# Altium PCB record1.PcbDoc (part 1 of 2) (continued)
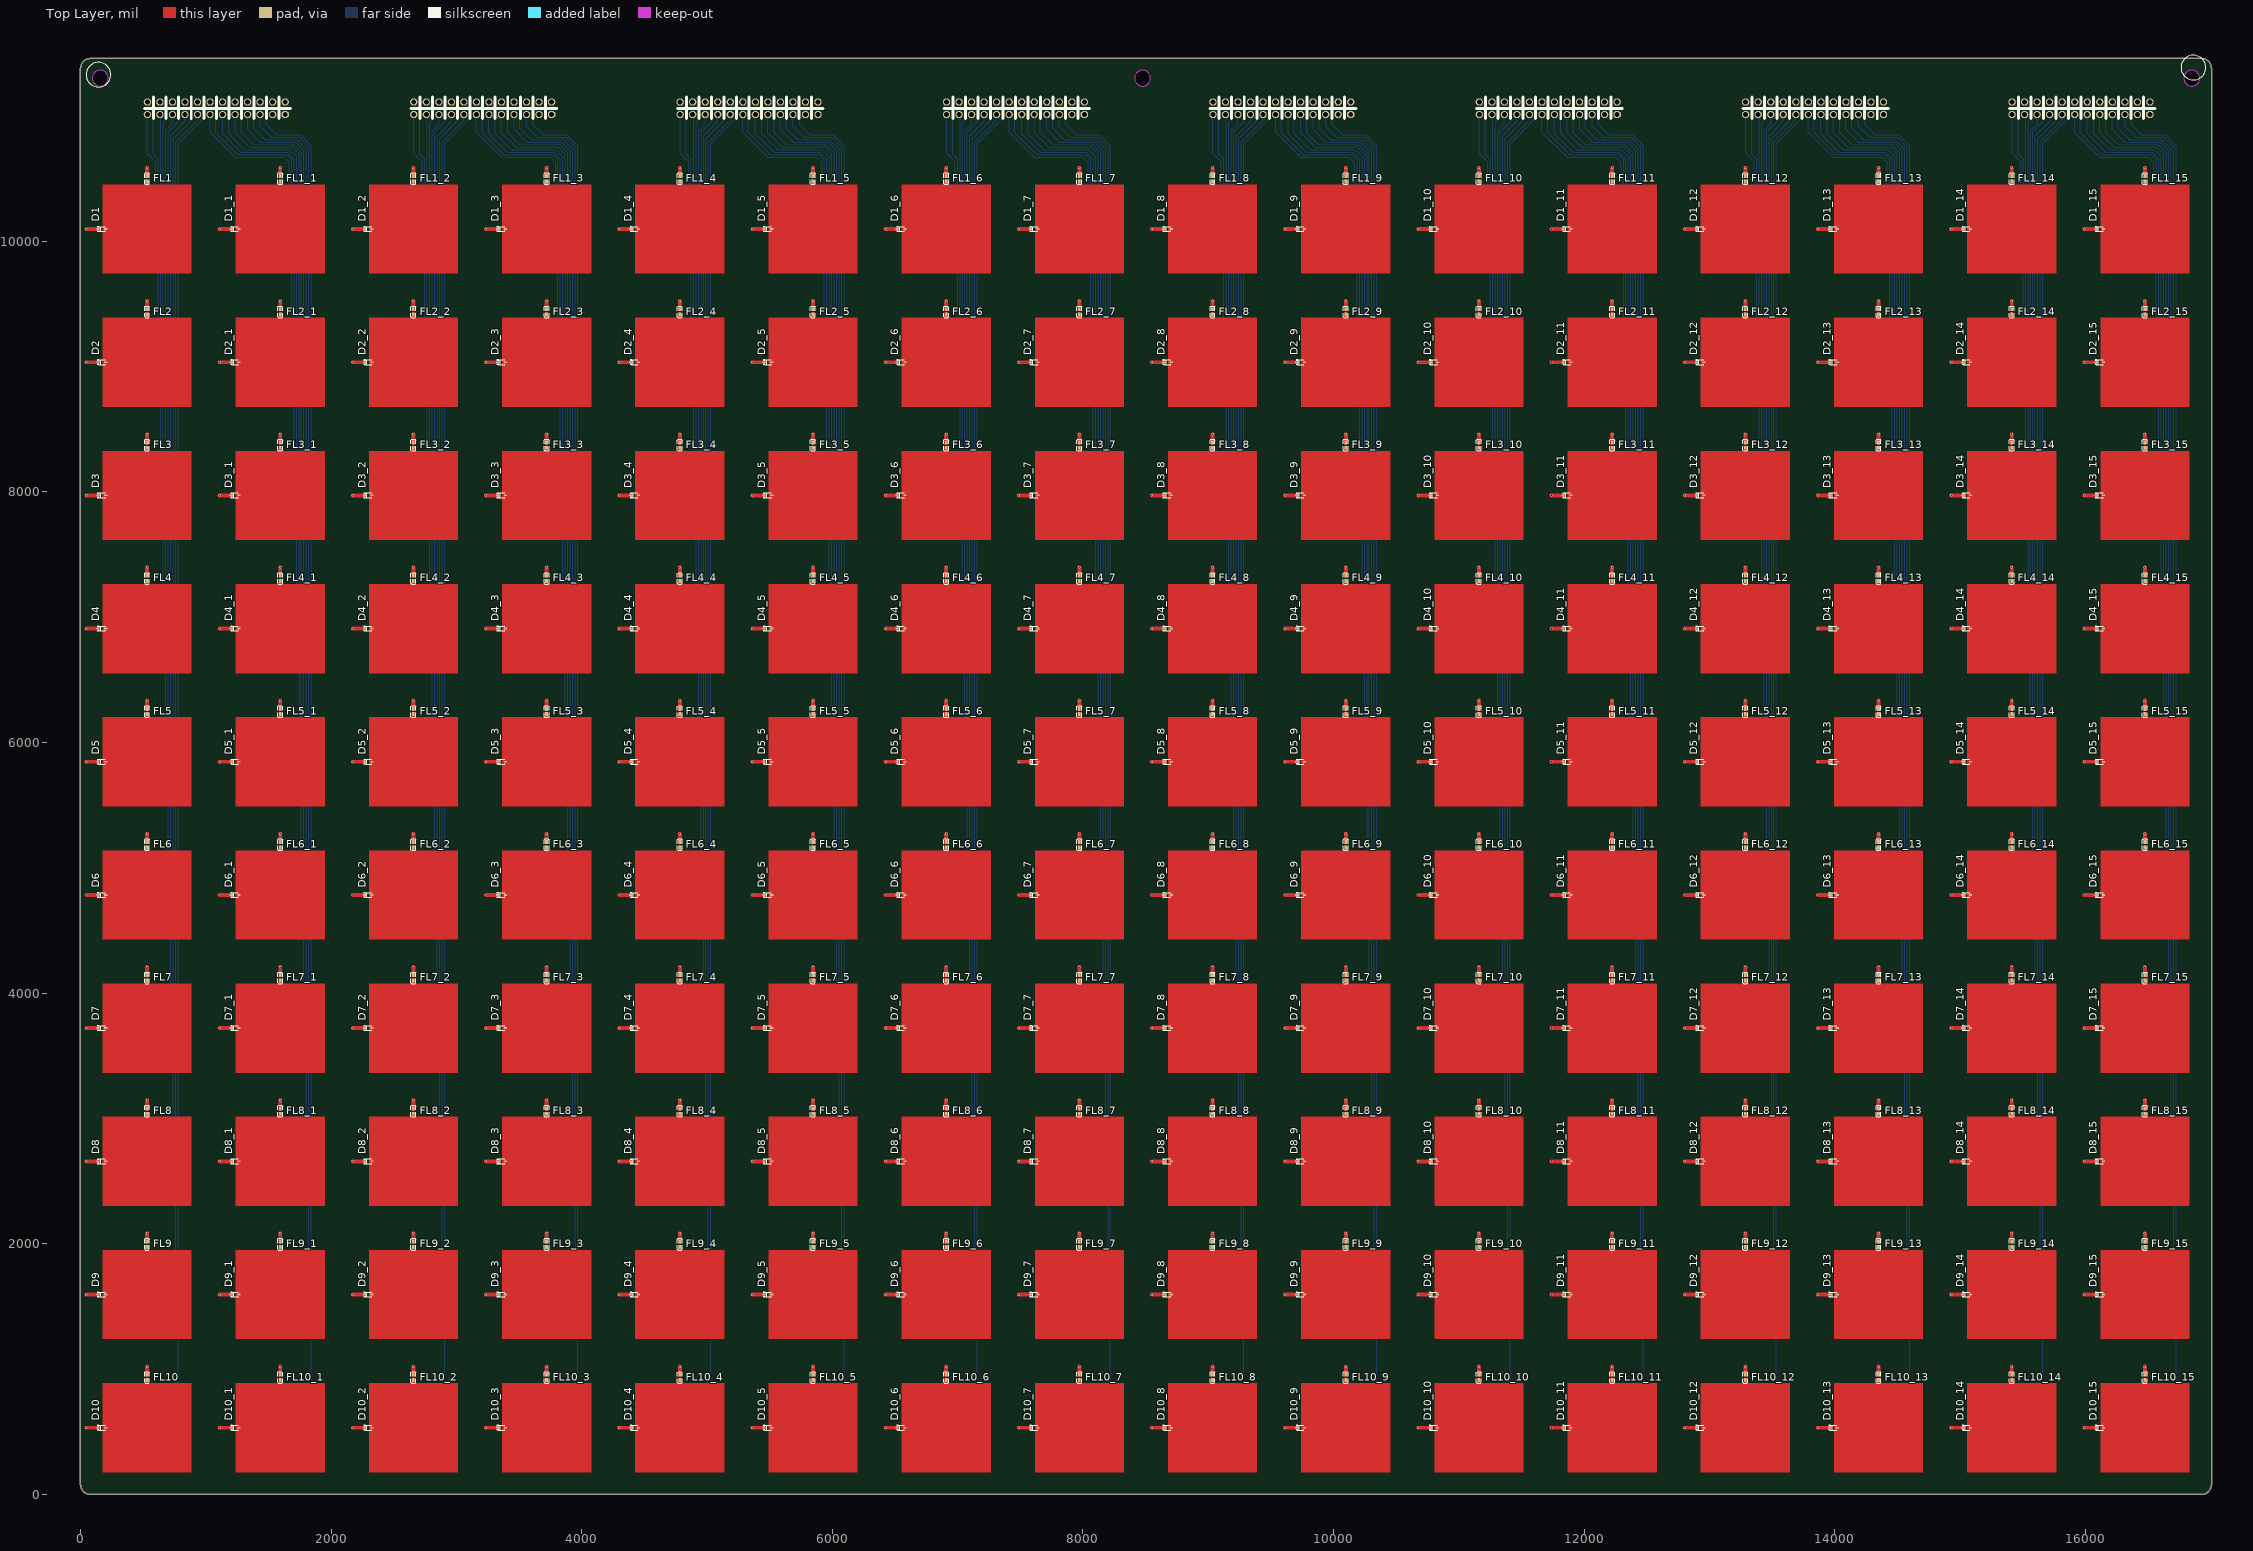
[diagram p0: Top Layer view]
## Components (designator, comment, footprint, x,y, rotation, side; value= is the part's Value field where it differs from the comment) (continued)
BL7_4 "Comment" L0402 4782.97,4122.05 r90 bottom
BL7_5 "Comment" L0402 5845.96,4122.05 r90 bottom
BL7_6 "Comment" L0402 6908.95,4122.05 r90 bottom
BL7_7 "Comment" L0402 7971.94,4122.05 r90 bottom
BL7_8 "Comment" L0402 9034.94,4122.05 r90 bottom
BL7_9 "Comment" L0402 10097.93,4122.05 r90 bottom
BL7_10 "Comment" L0402 11160.92,4122.05 r90 bottom
BL7_11 "Comment" L0402 12223.91,4122.05 r90 bottom
BL7_12 "Comment" L0402 13286.91,4122.05 r90 bottom
BL7_13 "Comment" L0402 14349.9,4122.05 r90 bottom
BL7_14 "Comment" L0402 15412.89,4122.05 r90 bottom
BL7_15 "Comment" L0402 16475.88,4122.05 r90 bottom
BL8 "Comment" L0402 531,3059.06 r90 bottom
BL8_1 "Comment" L0402 1593.99,3059.06 r90 bottom
BL8_2 "Comment" L0402 2656.98,3059.06 r90 bottom
BL8_3 "Comment" L0402 3719.98,3059.06 r90 bottom
BL8_4 "Comment" L0402 4782.97,3059.06 r90 bottom
BL8_5 "Comment" L0402 5845.96,3059.06 r90 bottom
BL8_6 "Comment" L0402 6908.95,3059.06 r90 bottom
BL8_7 "Comment" L0402 7971.94,3059.06 r90 bottom
BL8_8 "Comment" L0402 9034.94,3059.06 r90 bottom
BL8_9 "Comment" L0402 10097.93,3059.06 r90 bottom
BL8_10 "Comment" L0402 11160.92,3059.06 r90 bottom
BL8_11 "Comment" L0402 12223.91,3059.06 r90 bottom
BL8_12 "Comment" L0402 13286.91,3059.06 r90 bottom
BL8_13 "Comment" L0402 14349.9,3059.06 r90 bottom
BL8_14 "Comment" L0402 15412.89,3059.06 r90 bottom
BL8_15 "Comment" L0402 16475.88,3059.06 r90 bottom
BL9 "Comment" L0402 531,1996.06 r90 bottom
BL9_1 "Comment" L0402 1593.99,1996.06 r90 bottom
BL9_2 "Comment" L0402 2656.98,1996.06 r90 bottom
BL9_3 "Comment" L0402 3719.98,1996.06 r90 bottom
BL9_4 "Comment" L0402 4782.97,1996.06 r90 bottom
BL9_5 "Comment" L0402 5845.96,1996.06 r90 bottom
BL9_6 "Comment" L0402 6908.95,1996.06 r90 bottom
BL9_7 "Comment" L0402 7971.94,1996.06 r90 bottom
BL9_8 "Comment" L0402 9034.94,1996.06 r90 bottom
BL9_9 "Comment" L0402 10097.93,1996.06 r90 bottom
BL9_10 "Comment" L0402 11160.92,1996.06 r90 bottom
BL9_11 "Comment" L0402 12223.91,1996.06 r90 bottom
BL9_12 "Comment" L0402 13286.91,1996.06 r90 bottom
BL9_13 "Comment" L0402 14349.9,1996.06 r90 bottom
BL9_14 "Comment" L0402 15412.89,1996.06 r90 bottom
BL9_15 "Comment" L0402 16475.88,1996.06 r90 bottom
BL10 "Comment" L0402 531,933.07 r90 bottom
BL10_1 "Comment" L0402 1593.99,933.07 r90 bottom
BL10_2 "Comment" L0402 2656.98,933.07 r90 bottom
BL10_3 "Comment" L0402 3719.98,933.07 r90 bottom
BL10_4 "Comment" L0402 4782.97,933.07 r90 bottom
BL10_5 "Comment" L0402 5845.96,933.07 r90 bottom
BL10_6 "Comment" L0402 6908.95,933.07 r90 bottom
BL10_7 "Comment" L0402 7971.94,933.07 r90 bottom
BL10_8 "Comment" L0402 9034.94,933.07 r90 bottom
BL10_9 "Comment" L0402 10097.93,933.07 r90 bottom
BL10_10 "Comment" L0402 11160.92,933.07 r90 bottom
BL10_11 "Comment" L0402 12223.91,933.07 r90 bottom
BL10_12 "Comment" L0402 13286.91,933.07 r90 bottom
BL10_13 "Comment" L0402 14349.9,933.07 r90 bottom
BL10_14 "Comment" L0402 15412.89,933.07 r90 bottom
BL10_15 "Comment" L0402 16475.88,933.07 r90 bottom
D1 "Comment" SC-79_L1.2-W0.8-LS1.6-RD 170.91,10099 r0 top locked
D1_1 "Comment" SC-79_L1.2-W0.8-LS1.6-RD 1233.91,10099 r0 top locked
D1_2 "Comment" SC-79_L1.2-W0.8-LS1.6-RD 2296.9,10099 r0 top locked
D1_3 "Comment" SC-79_L1.2-W0.8-LS1.6-RD 3359.89,10099 r0 top locked
D1_4 "Comment" SC-79_L1.2-W0.8-LS1.6-RD 4422.88,10099 r0 top locked
D1_5 "Comment" SC-79_L1.2-W0.8-LS1.6-RD 5485.88,10099 r0 top locked
D1_6 "Comment" SC-79_L1.2-W0.8-LS1.6-RD 6548.87,10099 r0 top locked
D1_7 "Comment" SC-79_L1.2-W0.8-LS1.6-RD 7611.86,10099 r0 top locked
D1_8 "Comment" SC-79_L1.2-W0.8-LS1.6-RD 8674.85,10099 r0 top locked
D1_9 "Comment" SC-79_L1.2-W0.8-LS1.6-RD 9737.84,10099 r0 top locked
D1_10 "Comment" SC-79_L1.2-W0.8-LS1.6-RD 10800.84,10099 r0 top locked
D1_11 "Comment" SC-79_L1.2-W0.8-LS1.6-RD 11863.83,10099 r0 top locked
D1_12 "Comment" SC-79_L1.2-W0.8-LS1.6-RD 12926.82,10099 r0 top locked
D1_13 "Comment" SC-79_L1.2-W0.8-LS1.6-RD 13989.81,10099 r0 top locked
D1_14 "Comment" SC-79_L1.2-W0.8-LS1.6-RD 15052.8,10099 r0 top locked
D1_15 "Comment" SC-79_L1.2-W0.8-LS1.6-RD 16115.8,10099 r0 top locked
D2 "Comment" SC-79_L1.2-W0.8-LS1.6-RD 170.91,9036.01 r0 top locked
D2_1 "Comment" SC-79_L1.2-W0.8-LS1.6-RD 1233.91,9036.01 r0 top locked
D2_2 "Comment" SC-79_L1.2-W0.8-LS1.6-RD 2296.9,9036.01 r0 top locked
D2_3 "Comment" SC-79_L1.2-W0.8-LS1.6-RD 3359.89,9036.01 r0 top locked
D2_4 "Comment" SC-79_L1.2-W0.8-LS1.6-RD 4422.88,9036.01 r0 top locked
D2_5 "Comment" SC-79_L1.2-W0.8-LS1.6-RD 5485.88,9036.01 r0 top locked
D2_6 "Comment" SC-79_L1.2-W0.8-LS1.6-RD 6548.87,9036.01 r0 top locked
D2_7 "Comment" SC-79_L1.2-W0.8-LS1.6-RD 7611.86,9036.01 r0 top locked
D2_8 "Comment" SC-79_L1.2-W0.8-LS1.6-RD 8674.85,9036.01 r0 top locked
D2_9 "Comment" SC-79_L1.2-W0.8-LS1.6-RD 9737.84,9036.01 r0 top locked
D2_10 "Comment" SC-79_L1.2-W0.8-LS1.6-RD 10800.84,9036.01 r0 top locked
D2_11 "Comment" SC-79_L1.2-W0.8-LS1.6-RD 11863.83,9036.01 r0 top locked
D2_12 "Comment" SC-79_L1.2-W0.8-LS1.6-RD 12926.82,9036.01 r0 top locked
D2_13 "Comment" SC-79_L1.2-W0.8-LS1.6-RD 13989.81,9036.01 r0 top locked
D2_14 "Comment" SC-79_L1.2-W0.8-LS1.6-RD 15052.8,9036.01 r0 top locked
D2_15 "Comment" SC-79_L1.2-W0.8-LS1.6-RD 16115.8,9036.01 r0 top locked
D3 "Comment" SC-79_L1.2-W0.8-LS1.6-RD 170.91,7973.02 r0 top locked
D3_1 "Comment" SC-79_L1.2-W0.8-LS1.6-RD 1233.91,7973.02 r0 top locked
D3_2 "Comment" SC-79_L1.2-W0.8-LS1.6-RD 2296.9,7973.02 r0 top locked
D3_3 "Comment" SC-79_L1.2-W0.8-LS1.6-RD 3359.89,7973.02 r0 top locked
D3_4 "Comment" SC-79_L1.2-W0.8-LS1.6-RD 4422.88,7973.02 r0 top locked
D3_5 "Comment" SC-79_L1.2-W0.8-LS1.6-RD 5485.88,7973.02 r0 top locked
D3_6 "Comment" SC-79_L1.2-W0.8-LS1.6-RD 6548.87,7973.02 r0 top locked
D3_7 "Comment" SC-79_L1.2-W0.8-LS1.6-RD 7611.86,7973.02 r0 top locked
D3_8 "Comment" SC-79_L1.2-W0.8-LS1.6-RD 8674.85,7973.02 r0 top locked
D3_9 "Comment" SC-79_L1.2-W0.8-LS1.6-RD 9737.84,7973.02 r0 top locked
D3_10 "Comment" SC-79_L1.2-W0.8-LS1.6-RD 10800.84,7973.02 r0 top locked
D3_11 "Comment" SC-79_L1.2-W0.8-LS1.6-RD 11863.83,7973.02 r0 top locked
D3_12 "Comment" SC-79_L1.2-W0.8-LS1.6-RD 12926.82,7973.02 r0 top locked
D3_13 "Comment" SC-79_L1.2-W0.8-LS1.6-RD 13989.81,7973.02 r0 top locked
D3_14 "Comment" SC-79_L1.2-W0.8-LS1.6-RD 15052.8,7973.02 r0 top locked
D3_15 "Comment" SC-79_L1.2-W0.8-LS1.6-RD 16115.8,7973.02 r0 top locked
D4 "Comment" SC-79_L1.2-W0.8-LS1.6-RD 170.91,6910.02 r0 top locked
D4_1 "Comment" SC-79_L1.2-W0.8-LS1.6-RD 1233.91,6910.02 r0 top locked
D4_2 "Comment" SC-79_L1.2-W0.8-LS1.6-RD 2296.9,6910.02 r0 top locked
D4_3 "Comment" SC-79_L1.2-W0.8-LS1.6-RD 3359.89,6910.02 r0 top locked
D4_4 "Comment" SC-79_L1.2-W0.8-LS1.6-RD 4422.88,6910.02 r0 top locked
D4_5 "Comment" SC-79_L1.2-W0.8-LS1.6-RD 5485.88,6910.02 r0 top locked
D4_6 "Comment" SC-79_L1.2-W0.8-LS1.6-RD 6548.87,6910.02 r0 top locked
D4_7 "Comment" SC-79_L1.2-W0.8-LS1.6-RD 7611.86,6910.02 r0 top locked
D4_8 "Comment" SC-79_L1.2-W0.8-LS1.6-RD 8674.85,6910.02 r0 top locked
D4_9 "Comment" SC-79_L1.2-W0.8-LS1.6-RD 9737.84,6910.02 r0 top locked
D4_10 "Comment" SC-79_L1.2-W0.8-LS1.6-RD 10800.84,6910.02 r0 top locked
D4_11 "Comment" SC-79_L1.2-W0.8-LS1.6-RD 11863.83,6910.02 r0 top locked
D4_12 "Comment" SC-79_L1.2-W0.8-LS1.6-RD 12926.82,6910.02 r0 top locked
D4_13 "Comment" SC-79_L1.2-W0.8-LS1.6-RD 13989.81,6910.02 r0 top locked
D4_14 "Comment" SC-79_L1.2-W0.8-LS1.6-RD 15052.8,6910.02 r0 top locked
D4_15 "Comment" SC-79_L1.2-W0.8-LS1.6-RD 16115.8,6910.02 r0 top locked
D5 "Comment" SC-79_L1.2-W0.8-LS1.6-RD 170.91,5847.03 r0 top locked
D5_1 "Comment" SC-79_L1.2-W0.8-LS1.6-RD 1233.91,5847.03 r0 top locked
D5_2 "Comment" SC-79_L1.2-W0.8-LS1.6-RD 2296.9,5847.03 r0 top locked
D5_3 "Comment" SC-79_L1.2-W0.8-LS1.6-RD 3359.89,5847.03 r0 top locked
D5_4 "Comment" SC-79_L1.2-W0.8-LS1.6-RD 4422.88,5847.03 r0 top locked
D5_5 "Comment" SC-79_L1.2-W0.8-LS1.6-RD 5485.88,5847.03 r0 top locked
D5_6 "Comment" SC-79_L1.2-W0.8-LS1.6-RD 6548.87,5847.03 r0 top locked
D5_7 "Comment" SC-79_L1.2-W0.8-LS1.6-RD 7611.86,5847.03 r0 top locked
D5_8 "Comment" SC-79_L1.2-W0.8-LS1.6-RD 8674.85,5847.03 r0 top locked
D5_9 "Comment" SC-79_L1.2-W0.8-LS1.6-RD 9737.84,5847.03 r0 top locked
D5_10 "Comment" SC-79_L1.2-W0.8-LS1.6-RD 10800.84,5847.03 r0 top locked
D5_11 "Comment" SC-79_L1.2-W0.8-LS1.6-RD 11863.83,5847.03 r0 top locked
D5_12 "Comment" SC-79_L1.2-W0.8-LS1.6-RD 12926.82,5847.03 r0 top locked
D5_13 "Comment" SC-79_L1.2-W0.8-LS1.6-RD 13989.81,5847.03 r0 top locked
D5_14 "Comment" SC-79_L1.2-W0.8-LS1.6-RD 15052.8,5847.03 r0 top locked
D5_15 "Comment" SC-79_L1.2-W0.8-LS1.6-RD 16115.8,5847.03 r0 top locked
D6 "Comment" SC-79_L1.2-W0.8-LS1.6-RD 170.91,4784.04 r0 top locked
D6_1 "Comment" SC-79_L1.2-W0.8-LS1.6-RD 1233.91,4784.04 r0 top locked
D6_2 "Comment" SC-79_L1.2-W0.8-LS1.6-RD 2296.9,4784.04 r0 top locked
D6_3 "Comment" SC-79_L1.2-W0.8-LS1.6-RD 3359.89,4784.04 r0 top locked
D6_4 "Comment" SC-79_L1.2-W0.8-LS1.6-RD 4422.88,4784.04 r0 top locked
D6_5 "Comment" SC-79_L1.2-W0.8-LS1.6-RD 5485.88,4784.04 r0 top locked
D6_6 "Comment" SC-79_L1.2-W0.8-LS1.6-RD 6548.87,4784.04 r0 top locked
D6_7 "Comment" SC-79_L1.2-W0.8-LS1.6-RD 7611.86,4784.04 r0 top locked
D6_8 "Comment" SC-79_L1.2-W0.8-LS1.6-RD 8674.85,4784.04 r0 top locked
D6_9 "Comment" SC-79_L1.2-W0.8-LS1.6-RD 9737.84,4784.04 r0 top locked
D6_10 "Comment" SC-79_L1.2-W0.8-LS1.6-RD 10800.84,4784.04 r0 top locked
D6_11 "Comment" SC-79_L1.2-W0.8-LS1.6-RD 11863.83,4784.04 r0 top locked
D6_12 "Comment" SC-79_L1.2-W0.8-LS1.6-RD 12926.82,4784.04 r0 top locked
D6_13 "Comment" SC-79_L1.2-W0.8-LS1.6-RD 13989.81,4784.04 r0 top locked
D6_14 "Comment" SC-79_L1.2-W0.8-LS1.6-RD 15052.8,4784.04 r0 top locked
D6_15 "Comment" SC-79_L1.2-W0.8-LS1.6-RD 16115.8,4784.04 r0 top locked
D7 "Comment" SC-79_L1.2-W0.8-LS1.6-RD 170.91,3721.05 r0 top locked
D7_1 "Comment" SC-79_L1.2-W0.8-LS1.6-RD 1233.91,3721.05 r0 top locked
D7_2 "Comment" SC-79_L1.2-W0.8-LS1.6-RD 2296.9,3721.05 r0 top locked
D7_3 "Comment" SC-79_L1.2-W0.8-LS1.6-RD 3359.89,3721.05 r0 top locked
D7_4 "Comment" SC-79_L1.2-W0.8-LS1.6-RD 4422.88,3721.05 r0 top locked
D7_5 "Comment" SC-79_L1.2-W0.8-LS1.6-RD 5485.88,3721.05 r0 top locked
D7_6 "Comment" SC-79_L1.2-W0.8-LS1.6-RD 6548.87,3721.05 r0 top locked
D7_7 "Comment" SC-79_L1.2-W0.8-LS1.6-RD 7611.86,3721.05 r0 top locked
D7_8 "Comment" SC-79_L1.2-W0.8-LS1.6-RD 8674.85,3721.05 r0 top locked
D7_9 "Comment" SC-79_L1.2-W0.8-LS1.6-RD 9737.84,3721.05 r0 top locked
D7_10 "Comment" SC-79_L1.2-W0.8-LS1.6-RD 10800.84,3721.05 r0 top locked
D7_11 "Comment" SC-79_L1.2-W0.8-LS1.6-RD 11863.83,3721.05 r0 top locked
D7_12 "Comment" SC-79_L1.2-W0.8-LS1.6-RD 12926.82,3721.05 r0 top locked
D7_13 "Comment" SC-79_L1.2-W0.8-LS1.6-RD 13989.81,3721.05 r0 top locked
D7_14 "Comment" SC-79_L1.2-W0.8-LS1.6-RD 15052.8,3721.05 r0 top locked
D7_15 "Comment" SC-79_L1.2-W0.8-LS1.6-RD 16115.8,3721.05 r0 top locked
D8 "Comment" SC-79_L1.2-W0.8-LS1.6-RD 170.91,2658.06 r0 top locked
D8_1 "Comment" SC-79_L1.2-W0.8-LS1.6-RD 1233.91,2658.06 r0 top locked
D8_2 "Comment" SC-79_L1.2-W0.8-LS1.6-RD 2296.9,2658.06 r0 top locked
D8_3 "Comment" SC-79_L1.2-W0.8-LS1.6-RD 3359.89,2658.06 r0 top locked
D8_4 "Comment" SC-79_L1.2-W0.8-LS1.6-RD 4422.88,2658.06 r0 top locked
D8_5 "Comment" SC-79_L1.2-W0.8-LS1.6-RD 5485.88,2658.06 r0 top locked
D8_6 "Comment" SC-79_L1.2-W0.8-LS1.6-RD 6548.87,2658.06 r0 top locked
D8_7 "Comment" SC-79_L1.2-W0.8-LS1.6-RD 7611.86,2658.06 r0 top locked
D8_8 "Comment" SC-79_L1.2-W0.8-LS1.6-RD 8674.85,2658.06 r0 top locked
D8_9 "Comment" SC-79_L1.2-W0.8-LS1.6-RD 9737.84,2658.06 r0 top locked
D8_10 "Comment" SC-79_L1.2-W0.8-LS1.6-RD 10800.84,2658.06 r0 top locked
D8_11 "Comment" SC-79_L1.2-W0.8-LS1.6-RD 11863.83,2658.06 r0 top locked
D8_12 "Comment" SC-79_L1.2-W0.8-LS1.6-RD 12926.82,2658.06 r0 top locked
D8_13 "Comment" SC-79_L1.2-W0.8-LS1.6-RD 13989.81,2658.06 r0 top locked
D8_14 "Comment" SC-79_L1.2-W0.8-LS1.6-RD 15052.8,2658.06 r0 top locked
D8_15 "Comment" SC-79_L1.2-W0.8-LS1.6-RD 16115.8,2658.06 r0 top locked
D9 "Comment" SC-79_L1.2-W0.8-LS1.6-RD 170.91,1595.06 r0 top locked
D9_1 "Comment" SC-79_L1.2-W0.8-LS1.6-RD 1233.91,1595.06 r0 top locked
D9_2 "Comment" SC-79_L1.2-W0.8-LS1.6-RD 2296.9,1595.06 r0 top locked
D9_3 "Comment" SC-79_L1.2-W0.8-LS1.6-RD 3359.89,1595.06 r0 top locked
D9_4 "Comment" SC-79_L1.2-W0.8-LS1.6-RD 4422.88,1595.06 r0 top locked
D9_5 "Comment" SC-79_L1.2-W0.8-LS1.6-RD 5485.88,1595.06 r0 top locked
D9_6 "Comment" SC-79_L1.2-W0.8-LS1.6-RD 6548.87,1595.06 r0 top locked
D9_7 "Comment" SC-79_L1.2-W0.8-LS1.6-RD 7611.86,1595.06 r0 top locked
D9_8 "Comment" SC-79_L1.2-W0.8-LS1.6-RD 8674.85,1595.06 r0 top locked
D9_9 "Comment" SC-79_L1.2-W0.8-LS1.6-RD 9737.84,1595.06 r0 top locked
D9_10 "Comment" SC-79_L1.2-W0.8-LS1.6-RD 10800.84,1595.06 r0 top locked
D9_11 "Comment" SC-79_L1.2-W0.8-LS1.6-RD 11863.83,1595.06 r0 top locked
D9_12 "Comment" SC-79_L1.2-W0.8-LS1.6-RD 12926.82,1595.06 r0 top locked
D9_13 "Comment" SC-79_L1.2-W0.8-LS1.6-RD 13989.81,1595.06 r0 top locked
D9_14 "Comment" SC-79_L1.2-W0.8-LS1.6-RD 15052.8,1595.06 r0 top locked
D9_15 "Comment" SC-79_L1.2-W0.8-LS1.6-RD 16115.8,1595.06 r0 top locked
D10 "Comment" SC-79_L1.2-W0.8-LS1.6-RD 170.91,532.07 r0 top locked
D10_1 "Comment" SC-79_L1.2-W0.8-LS1.6-RD 1233.91,532.07 r0 top locked
D10_2 "Comment" SC-79_L1.2-W0.8-LS1.6-RD 2296.9,532.07 r0 top locked
D10_3 "Comment" SC-79_L1.2-W0.8-LS1.6-RD 3359.89,532.07 r0 top locked
D10_4 "Comment" SC-79_L1.2-W0.8-LS1.6-RD 4422.88,532.07 r0 top locked
D10_5 "Comment" SC-79_L1.2-W0.8-LS1.6-RD 5485.88,532.07 r0 top locked
D10_6 "Comment" SC-79_L1.2-W0.8-LS1.6-RD 6548.87,532.07 r0 top locked
D10_7 "Comment" SC-79_L1.2-W0.8-LS1.6-RD 7611.86,532.07 r0 top locked
D10_8 "Comment" SC-79_L1.2-W0.8-LS1.6-RD 8674.85,532.07 r0 top locked
D10_9 "Comment" SC-79_L1.2-W0.8-LS1.6-RD 9737.84,532.07 r0 top locked
D10_10 "Comment" SC-79_L1.2-W0.8-LS1.6-RD 10800.84,532.07 r0 top locked
D10_11 "Comment" SC-79_L1.2-W0.8-LS1.6-RD 11863.83,532.07 r0 top locked
D10_12 "Comment" SC-79_L1.2-W0.8-LS1.6-RD 12926.82,532.07 r0 top locked
D10_13 "Comment" SC-79_L1.2-W0.8-LS1.6-RD 13989.81,532.07 r0 top locked
D10_14 "Comment" SC-79_L1.2-W0.8-LS1.6-RD 15052.8,532.07 r0 top locked
D10_15 "Comment" SC-79_L1.2-W0.8-LS1.6-RD 16115.8,532.07 r0 top locked
FL1 "Comment" L0402 530.84,10499.94 r270 top locked
FL1_1 "Comment" L0402 1593.83,10499.94 r270 top locked
FL1_2 "Comment" L0402 2656.83,10499.94 r270 top locked
FL1_3 "Comment" L0402 3719.82,10499.94 r270 top locked
FL1_4 "Comment" L0402 4782.81,10499.94 r270 top locked
FL1_5 "Comment" L0402 5845.8,10499.94 r270 top locked
FL1_6 "Comment" L0402 6908.8,10499.94 r270 top locked
FL1_7 "Comment" L0402 7971.79,10499.94 r270 top locked
FL1_8 "Comment" L0402 9034.78,10499.94 r270 top locked
FL1_9 "Comment" L0402 10097.77,10499.94 r270 top locked
FL1_10 "Comment" L0402 11160.76,10499.94 r270 top locked
FL1_11 "Comment" L0402 12223.76,10499.94 r270 top locked
FL1_12 "Comment" L0402 13286.75,10499.94 r270 top locked
FL1_13 "Comment" L0402 14349.74,10499.94 r270 top locked
FL1_14 "Comment" L0402 15412.73,10499.94 r270 top locked
FL1_15 "Comment" L0402 16475.72,10499.94 r270 top locked
FL2 "Comment" L0402 530.84,9436.95 r270 top locked
FL2_1 "Comment" L0402 1593.83,9436.95 r270 top locked
FL2_2 "Comment" L0402 2656.83,9436.95 r270 top locked
FL2_3 "Comment" L0402 3719.82,9436.95 r270 top locked
FL2_4 "Comment" L0402 4782.81,9436.95 r270 top locked
FL2_5 "Comment" L0402 5845.8,9436.95 r270 top locked
FL2_6 "Comment" L0402 6908.8,9436.95 r270 top locked
FL2_7 "Comment" L0402 7971.79,9436.95 r270 top locked
FL2_8 "Comment" L0402 9034.78,9436.95 r270 top locked
FL2_9 "Comment" L0402 10097.77,9436.95 r270 top locked
FL2_10 "Comment" L0402 11160.76,9436.95 r270 top locked
FL2_11 "Comment" L0402 12223.76,9436.95 r270 top locked
FL2_12 "Comment" L0402 13286.75,9436.95 r270 top locked
FL2_13 "Comment" L0402 14349.74,9436.95 r270 top locked
FL2_14 "Comment" L0402 15412.73,9436.95 r270 top locked
FL2_15 "Comment" L0402 16475.72,9436.95 r270 top locked
FL3 "Comment" L0402 530.84,8373.96 r270 top locked
FL3_1 "Comment" L0402 1593.83,8373.96 r270 top locked
FL3_2 "Comment" L0402 2656.83,8373.96 r270 top locked
FL3_3 "Comment" L0402 3719.82,8373.96 r270 top locked
FL3_4 "Comment" L0402 4782.81,8373.96 r270 top locked
FL3_5 "Comment" L0402 5845.8,8373.96 r270 top locked
FL3_6 "Comment" L0402 6908.8,8373.96 r270 top locked
FL3_7 "Comment" L0402 7971.79,8373.96 r270 top locked
FL3_8 "Comment" L0402 9034.78,8373.96 r270 top locked
FL3_9 "Comment" L0402 10097.77,8373.96 r270 top locked
FL3_10 "Comment" L0402 11160.76,8373.96 r270 top locked
FL3_11 "Comment" L0402 12223.76,8373.96 r270 top locked
FL3_12 "Comment" L0402 13286.75,8373.96 r270 top locked
FL3_13 "Comment" L0402 14349.74,8373.96 r270 top locked
FL3_14 "Comment" L0402 15412.73,8373.96 r270 top locked
FL3_15 "Comment" L0402 16475.72,8373.96 r270 top locked
FL4 "Comment" L0402 530.84,7310.97 r270 top locked
FL4_1 "Comment" L0402 1593.83,7310.97 r270 top locked
FL4_2 "Comment" L0402 2656.83,7310.97 r270 top locked
FL4_3 "Comment" L0402 3719.82,7310.97 r270 top locked
FL4_4 "Comment" L0402 4782.81,7310.97 r270 top locked
FL4_5 "Comment" L0402 5845.8,7310.97 r270 top locked
FL4_6 "Comment" L0402 6908.8,7310.97 r270 top locked
FL4_7 "Comment" L0402 7971.79,7310.97 r270 top locked
FL4_8 "Comment" L0402 9034.78,7310.97 r270 top locked
FL4_9 "Comment" L0402 10097.77,7310.97 r270 top locked
FL4_10 "Comment" L0402 11160.76,7310.97 r270 top locked
FL4_11 "Comment" L0402 12223.76,7310.97 r270 top locked
FL4_12 "Comment" L0402 13286.75,7310.97 r270 top locked
FL4_13 "Comment" L0402 14349.74,7310.97 r270 top locked
FL4_14 "Comment" L0402 15412.73,7310.97 r270 top locked
FL4_15 "Comment" L0402 16475.72,7310.97 r270 top locked
FL5 "Comment" L0402 530.84,6247.97 r270 top locked
FL5_1 "Comment" L0402 1593.83,6247.97 r270 top locked
FL5_2 "Comment" L0402 2656.83,6247.97 r270 top locked
FL5_3 "Comment" L0402 3719.82,6247.97 r270 top locked
FL5_4 "Comment" L0402 4782.81,6247.97 r270 top locked
FL5_5 "Comment" L0402 5845.8,6247.97 r270 top locked
FL5_6 "Comment" L0402 6908.8,6247.97 r270 top locked
FL5_7 "Comment" L0402 7971.79,6247.97 r270 top locked
FL5_8 "Comment" L0402 9034.78,6247.97 r270 top locked
FL5_9 "Comment" L0402 10097.77,6247.97 r270 top locked
FL5_10 "Comment" L0402 11160.76,6247.97 r270 top locked
FL5_11 "Comment" L0402 12223.76,6247.97 r270 top locked
FL5_12 "Comment" L0402 13286.75,6247.97 r270 top locked
FL5_13 "Comment" L0402 14349.74,6247.97 r270 top locked
FL5_14 "Comment" L0402 15412.73,6247.97 r270 top locked
FL5_15 "Comment" L0402 16475.72,6247.97 r270 top locked
FL6 "Comment" L0402 530.84,5184.98 r270 top locked
FL6_1 "Comment" L0402 1593.83,5184.98 r270 top locked
FL6_2 "Comment" L0402 2656.83,5184.98 r270 top locked
FL6_3 "Comment" L0402 3719.82,5184.98 r270 top locked
FL6_4 "Comment" L0402 4782.81,5184.98 r270 top locked
FL6_5 "Comment" L0402 5845.8,5184.98 r270 top locked
FL6_6 "Comment" L0402 6908.8,5184.98 r270 top locked
FL6_7 "Comment" L0402 7971.79,5184.98 r270 top locked
FL6_8 "Comment" L0402 9034.78,5184.98 r270 top locked
FL6_9 "Comment" L0402 10097.77,5184.98 r270 top locked
FL6_10 "Comment" L0402 11160.76,5184.98 r270 top locked
FL6_11 "Comment" L0402 12223.76,5184.98 r270 top locked
FL6_12 "Comment" L0402 13286.75,5184.98 r270 top locked
FL6_13 "Comment" L0402 14349.74,5184.98 r270 top locked
FL6_14 "Comment" L0402 15412.73,5184.98 r270 top locked
FL6_15 "Comment" L0402 16475.72,5184.98 r270 top locked
FL7 "Comment" L0402 530.84,4121.99 r270 top locked
FL7_1 "Comment" L0402 1593.83,4121.99 r270 top locked
FL7_2 "Comment" L0402 2656.83,4121.99 r270 top locked
FL7_3 "Comment" L0402 3719.82,4121.99 r270 top locked
FL7_4 "Comment" L0402 4782.81,4121.99 r270 top locked
FL7_5 "Comment" L0402 5845.8,4121.99 r270 top locked
FL7_6 "Comment" L0402 6908.8,4121.99 r270 top locked
FL7_7 "Comment" L0402 7971.79,4121.99 r270 top locked
FL7_8 "Comment" L0402 9034.78,4121.99 r270 top locked
FL7_9 "Comment" L0402 10097.77,4121.99 r270 top locked
FL7_10 "Comment" L0402 11160.76,4121.99 r270 top locked
FL7_11 "Comment" L0402 12223.76,4121.99 r270 top locked
FL7_12 "Comment" L0402 13286.75,4121.99 r270 top locked
FL7_13 "Comment" L0402 14349.74,4121.99 r270 top locked
FL7_14 "Comment" L0402 15412.73,4121.99 r270 top locked
FL7_15 "Comment" L0402 16475.72,4121.99 r270 top locked
FL8 "Comment" L0402 530.84,3059 r270 top locked
FL8_1 "Comment" L0402 1593.83,3059 r270 top locked
FL8_2 "Comment" L0402 2656.83,3059 r270 top locked
FL8_3 "Comment" L0402 3719.82,3059 r270 top locked
FL8_4 "Comment" L0402 4782.81,3059 r270 top locked
FL8_5 "Comment" L0402 5845.8,3059 r270 top locked
FL8_6 "Comment" L0402 6908.8,3059 r270 top locked
FL8_7 "Comment" L0402 7971.79,3059 r270 top locked
FL8_8 "Comment" L0402 9034.78,3059 r270 top locked
FL8_9 "Comment" L0402 10097.77,3059 r270 top locked
FL8_10 "Comment" L0402 11160.76,3059 r270 top locked
FL8_11 "Comment" L0402 12223.76,3059 r270 top locked
FL8_12 "Comment" L0402 13286.75,3059 r270 top locked
FL8_13 "Comment" L0402 14349.74,3059 r270 top locked
FL8_14 "Comment" L0402 15412.73,3059 r270 top locked
FL8_15 "Comment" L0402 16475.72,3059 r270 top locked
FL9 "Comment" L0402 530.84,1996.01 r270 top locked
FL9_1 "Comment" L0402 1593.83,1996.01 r270 top locked
FL9_2 "Comment" L0402 2656.83,1996.01 r270 top locked
FL9_3 "Comment" L0402 3719.82,1996.01 r270 top locked
FL9_4 "Comment" L0402 4782.81,1996.01 r270 top locked
FL9_5 "Comment" L0402 5845.8,1996.01 r270 top locked
FL9_6 "Comment" L0402 6908.8,1996.01 r270 top locked
FL9_7 "Comment" L0402 7971.79,1996.01 r270 top locked
FL9_8 "Comment" L0402 9034.78,1996.01 r270 top locked
FL9_9 "Comment" L0402 10097.77,1996.01 r270 top locked
FL9_10 "Comment" L0402 11160.76,1996.01 r270 top locked
FL9_11 "Comment" L0402 12223.76,1996.01 r270 top locked
FL9_12 "Comment" L0402 13286.75,1996.01 r270 top locked
FL9_13 "Comment" L0402 14349.74,1996.01 r270 top locked
FL9_14 "Comment" L0402 15412.73,1996.01 r270 top locked
FL9_15 "Comment" L0402 16475.72,1996.01 r270 top locked
FL10 "Comment" L0402 530.84,933.01 r270 top locked
FL10_1 "Comment" L0402 1593.83,933.01 r270 top locked
FL10_2 "Comment" L0402 2656.83,933.01 r270 top locked
FL10_3 "Comment" L0402 3719.82,933.01 r270 top locked
FL10_4 "Comment" L0402 4782.81,933.01 r270 top locked
FL10_5 "Comment" L0402 5845.8,933.01 r270 top locked
FL10_6 "Comment" L0402 6908.8,933.01 r270 top locked
FL10_7 "Comment" L0402 7971.79,933.01 r270 top locked
FL10_8 "Comment" L0402 9034.78,933.01 r270 top locked
FL10_9 "Comment" L0402 10097.77,933.01 r270 top locked
FL10_10 "Comment" L0402 11160.76,933.01 r270 top locked
FL10_11 "Comment" L0402 12223.76,933.01 r270 top locked
FL10_12 "Comment" L0402 13286.75,933.01 r270 top locked
FL10_13 "Comment" L0402 14349.74,933.01 r270 top locked
FL10_14 "Comment" L0402 15412.73,933.01 r270 top locked
FL10_15 "Comment" L0402 16475.72,933.01 r270 top locked

## Footprints (in the part's own frame and the unit in brackets; to place one, negate y for a bottom-side part, rotate by r counter-clockwise, add the part's x,y. Pads: shape width x height; smd on the part's side, far side on the other; paste and mask are expansions set on the pad)
IDC2.54-24P [mm]
  oct 1.5x1.5 hole 1: 1(0,0)
  round 1.5 hole 1: 2(0,2.54) 3(2.54,0) 4(2.54,2.54) 5(5.08,0) 6(5.08,2.54) 7(7.62,0) 8(7.62,2.54) 9(10.16,0) 10(10.16,2.54) 11(12.7,0) 12(12.7,2.54) 13(15.24,0) 14(15.24,2.54) 15(17.78,0) 16(17.78,2.54) 17(20.32,0) 18(20.32,2.54) 19(22.86,0) 20(22.86,2.54) 21(25.4,0) 22(25.4,2.54) 23(27.94,0) 24(27.94,2.54)
  silkscreen extent -5.3,-4.19 33.36,5.84, body extent -5.07,-2.98 33.01,5.87, height 8.92
L0402 [mm]
  rect 0.79x0.54 smd: 1(-0.545,0) 2(0.545,0)
  silkscreen extent -1.17,-0.5 1.17,0.5
SC-79_L1.2-W0.8-LS1.6-RD [mm]
  rect 0.63x0.36 smd: 1(-0.785,0) 2(0.785,0)
  silkscreen extent -0.9,-0.55 0.68,0.55

## Via types
v1: diameter 19.68, hole 11.81, Top Layer to Bottom Layer, tented both sides, 320 vias

## Nets (pads, with @x,y where several pads share a name; then routed paths per layer and width w, separated by ;. In a path a pad name is that pad's centre, name@x,y a point inside that pad or via, vN(x,y) a via of type N, cw(c..) or ccw(c..) an arc to the next point about the centre after c; other vN are vias at no path point)
GND: BH1.1 BH1.2 BH1.3 BH1.4 BH2.1 BH2.2 BH2.3 BH2.4 BH3.1 BH3.2 BH3.3 BH3.4 BH4.1 BH4.2 BH4.3 BH4.4 BH5.1 BH5.2 BH5.3 BH5.4 BH6.1 BH6.2 BH6.3 BH6.4 BH7.1 BH7.2 BH7.3 BH7.4 BH8.1 BH8.2 BH8.3 BH8.4 D1.1 D1_1.1 D1_2.1 D1_3.1 D1_4.1 D1_5.1 D1_6.1 D1_7.1 D1_8.1 D1_9.1 D1_10.1 D1_11.1 D1_12.1 D1_13.1 D1_14.1 D1_15.1 D2.1 D2_1.1 D2_2.1 D2_3.1 D2_4.1 D2_5.1 D2_6.1 D2_7.1 D2_8.1 D2_9.1 D2_10.1 D2_11.1 D2_12.1 D2_13.1 D2_14.1 D2_15.1 D3.1 D3_1.1 D3_2.1 D3_3.1 D3_4.1 D3_5.1 D3_6.1 D3_7.1 D3_8.1 D3_9.1 D3_10.1 D3_11.1 D3_12.1 D3_13.1 D3_14.1 D3_15.1 D4.1 D4_1.1 D4_2.1 D4_3.1 D4_4.1 D4_5.1 D4_6.1 D4_7.1 D4_8.1 D4_9.1 D4_10.1 D4_11.1 D4_12.1 D4_13.1 D4_14.1 D4_15.1 D5.1 D5_1.1 D5_2.1 D5_3.1 D5_4.1 D5_5.1 D5_6.1 D5_7.1 D5_8.1 D5_9.1 D5_10.1 D5_11.1 D5_12.1 D5_13.1 D5_14.1 D5_15.1 D6.1 D6_1.1 D6_2.1 D6_3.1 D6_4.1 D6_5.1 D6_6.1 D6_7.1 D6_8.1 D6_9.1 D6_10.1 D6_11.1 D6_12.1 D6_13.1 D6_14.1 D6_15.1 D7.1 D7_1.1 D7_2.1 D7_3.1 D7_4.1 D7_5.1 D7_6.1 D7_7.1 D7_8.1 D7_9.1 D7_10.1 D7_11.1 D7_12.1 D7_13.1 D7_14.1 D7_15.1 D8.1 D8_1.1 D8_2.1 D8_3.1 D8_4.1 D8_5.1 D8_6.1 D8_7.1 D8_8.1 D8_9.1 D8_10.1 D8_11.1 D8_12.1 D8_13.1 D8_14.1 D8_15.1 D9.1 D9_1.1 D9_2.1 D9_3.1 D9_4.1 D9_5.1 D9_6.1 D9_7.1 D9_8.1 D9_9.1 D9_10.1 D9_11.1 D9_12.1 D9_13.1 D9_14.1 D9_15.1 D10.1 D10_1.1 D10_2.1 D10_3.1 D10_4.1 D10_5.1 D10_6.1 D10_7.1 D10_8.1 D10_9.1 D10_10.1 D10_11.1 D10_12.1 D10_13.1 D10_14.1 D10_15.1
  other v1: 47.24,531.5 1110.24,531.5 2173.23,531.5 3236.22,531.5 4299.21,531.5 5362.2,531.5 6425.2,531.5 7488.19,531.5 8551.18,531.5 9614.17,531.5 10677.17,531.5 11740.16,531.5 12803.15,531.5 13866.14,531.5 14929.13,531.5 15992.13,531.5 47.24,1594.49 1110.24,1594.49 2173.23,1594.49 3236.22,1594.49 4299.21,1594.49 5362.2,1594.49 6425.2,1594.49 7488.19,1594.49 8551.18,1594.49 9614.17,1594.49 10677.17,1594.49 11740.16,1594.49 12803.15,1594.49 13866.14,1594.49 14929.13,1594.49 15992.13,1594.49 47.24,2657.48 1110.24,2657.48 2173.23,2657.48 3236.22,2657.48 4299.21,2657.48 5362.2,2657.48 6425.2,2657.48 7488.19,2657.48 8551.18,2657.48 9614.17,2657.48 10677.17,2657.48 11740.16,2657.48 12803.15,2657.48 13866.14,2657.48 14929.13,2657.48 15992.13,2657.48 47.24,3720.47 1110.24,3720.47 2173.23,3720.47 3236.22,3720.47 4299.21,3720.47 5362.2,3720.47 6425.2,3720.47 7488.19,3720.47 8551.18,3720.47 9614.17,3720.47 10677.17,3720.47 11740.16,3720.47 12803.15,3720.47 13866.14,3720.47 14929.13,3720.47 15992.13,3720.47 47.24,4783.46 1110.24,4783.46 2173.23,4783.46 3236.22,4783.46 4299.21,4783.46 5362.2,4783.46 6425.2,4783.46 7488.19,4783.46 8551.18,4783.46 9614.17,4783.46 10677.17,4783.46 11740.16,4783.46 12803.15,4783.46 13866.14,4783.46 14929.13,4783.46 15992.13,4783.46 47.24,5846.46 1110.24,5846.46 2173.23,5846.46 3236.22,5846.46 4299.21,5846.46 5362.2,5846.46 6425.2,5846.46 7488.19,5846.46 8551.18,5846.46 9614.17,5846.46 10677.17,5846.46 11740.16,5846.46 12803.15,5846.46 13866.14,5846.46 14929.13,5846.46 15992.13,5846.46 47.24,6909.45 1110.24,6909.45 2173.23,6909.45 3236.22,6909.45 4299.21,6909.45 5362.2,6909.45 6425.2,6909.45 7488.19,6909.45 8551.18,6909.45 9614.17,6909.45 10677.17,6909.45 11740.16,6909.45 12803.15,6909.45 13866.14,6909.45 14929.13,6909.45 15992.13,6909.45 47.24,7972.44 1110.24,7972.44 2173.23,7972.44 3236.22,7972.44 4299.21,7972.44 5362.2,7972.44 6425.2,7972.44 7488.19,7972.44 8551.18,7972.44 9614.17,7972.44 10677.17,7972.44 11740.16,7972.44 12803.15,7972.44 13866.14,7972.44 14929.13,7972.44 15992.13,7972.44 47.24,9035.43 1110.24,9035.43 2173.23,9035.43 3236.22,9035.43 4299.21,9035.43 5362.2,9035.43 6425.2,9035.43 7488.19,9035.43 8551.18,9035.43 9614.17,9035.43 10677.17,9035.43 11740.16,9035.43 12803.15,9035.43 13866.14,9035.43 14929.13,9035.43 15992.13,9035.43 47.24,10098.43 1110.24,10098.43 2173.23,10098.43 3236.22,10098.43 4299.21,10098.43 5362.2,10098.43 6425.2,10098.43 7488.19,10098.43 8551.18,10098.43 9614.17,10098.43 10677.17,10098.43 11740.16,10098.43 12803.15,10098.43 13866.14,10098.43 14929.13,10098.43 15992.13,10098.43